# Altium PCB 24V-12V__4x5.PcbDoc (part 2 of 3)
Units mm, origin at the board's own origin, x right, y up, seen from the top; angles counter-clockwise.
Board outline 50.6 x 38 mm, 2 copper layers (Top Layer, Bottom Layer); 540 components, 0 nets, 1936 pads, 840 vias.
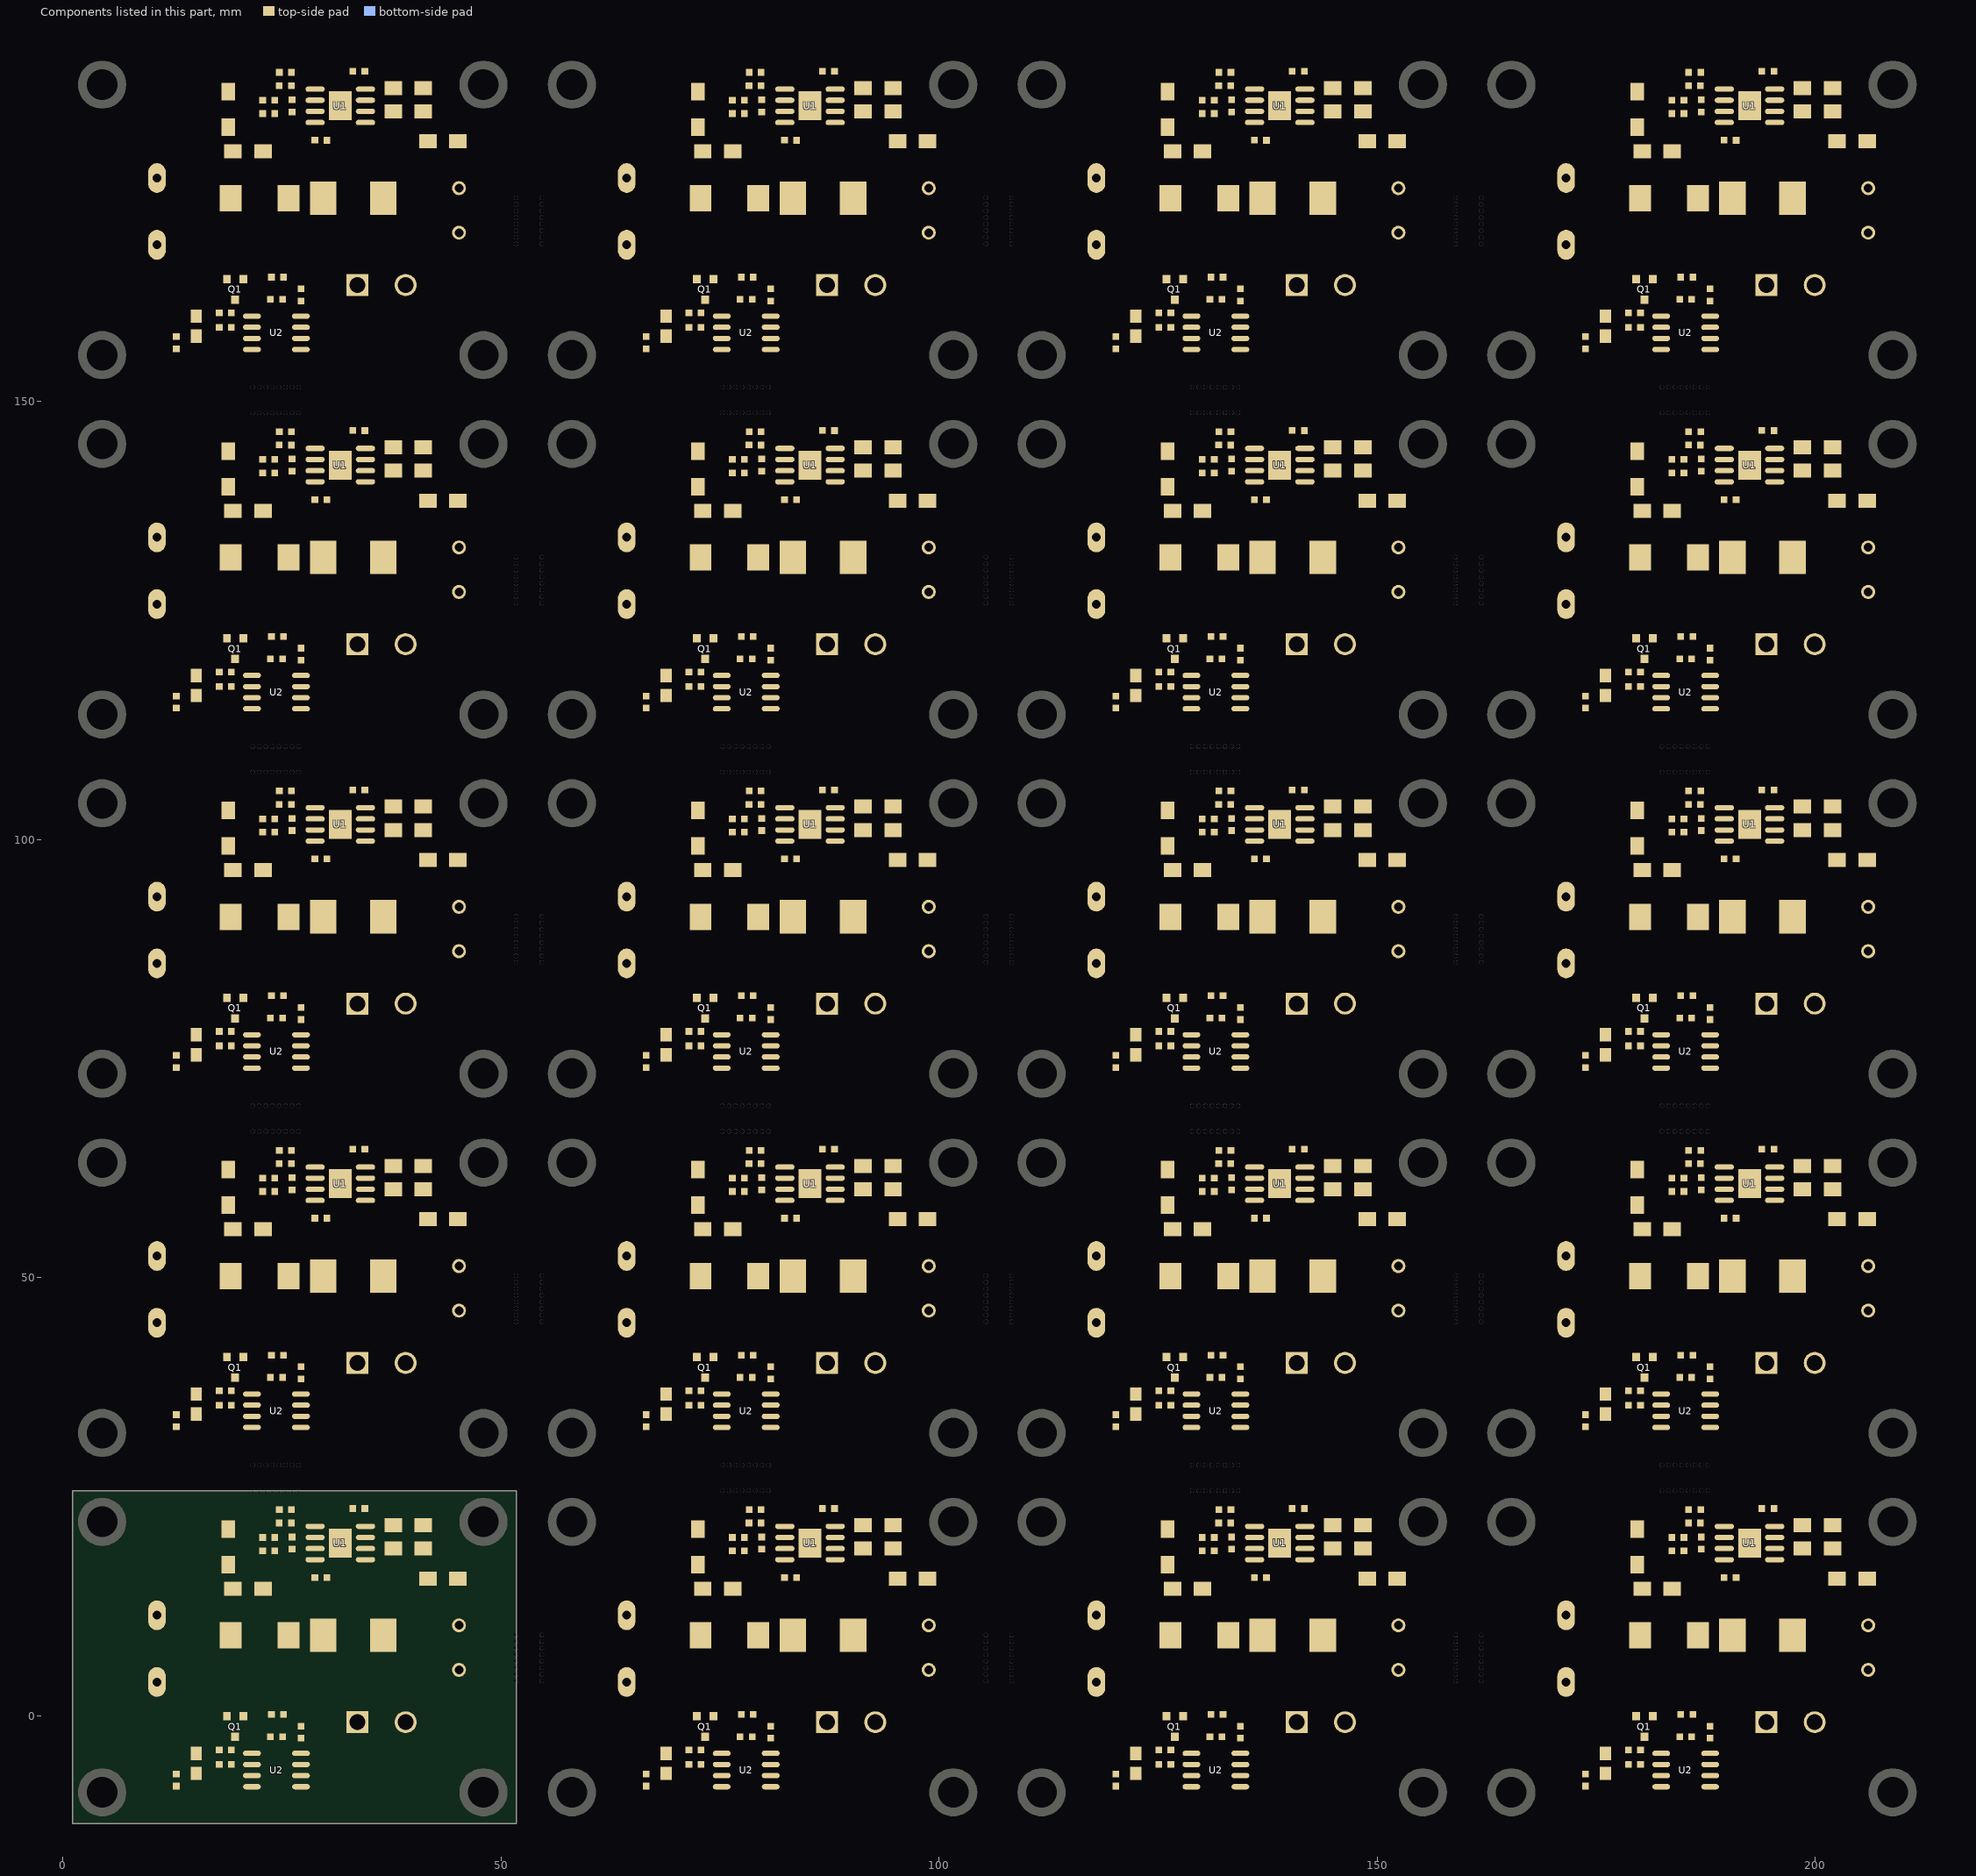
[diagram p2: the components of this part, seen from the top]

## Via types
v1: diameter 0.5, hole 0.3, Top Layer to Bottom Layer, tented both sides, 840 vias

## Nets (pads, with @x,y where several pads share a name; then routed paths per layer and width w, separated by ;. In a path a pad name is that pad's centre, name@x,y a point inside that pad or via, vN(x,y) a via of type N, cw(c..) or ccw(c..) an arc to the next point about the centre after c; other vN are vias at no path point) (continued)
copper on no net: | length 3487.4
  Top Layer w0.6: 30.15,15.775 33.782,15.775 34.541,16.534 34.541,17.806 ; 30.15,56.775 33.782,56.775 34.541,57.534 34.541,58.806 ; 30.15,97.775 33.782,97.775 34.541,98.534 34.541,99.806 ; 30.15,138.775 33.782,138.775 34.541,139.534 34.541,140.806 ; 30.15,179.775 33.782,179.775 34.541,180.534 34.541,181.806 ; 83.75,15.775 87.382,15.775 88.141,16.534 88.141,17.806 ; 83.75,56.775 87.382,56.775 88.141,57.534 88.141,58.806 ; 83.75,97.775 87.382,97.775 88.141,98.534 88.141,99.806 ; 83.75,138.775 87.382,138.775 88.141,139.534 88.141,140.806 ; 83.75,179.775 87.382,179.775 88.141,180.534 88.141,181.806 ; 137.35,15.775 140.982,15.775 141.741,16.534 141.741,17.806 ; 137.35,56.775 140.982,56.775 141.741,57.534 141.741,58.806 ; 137.35,97.775 140.982,97.775 141.741,98.534 141.741,99.806 ; 137.35,138.775 140.982,138.775 141.741,139.534 141.741,140.806 ; 137.35,179.775 140.982,179.775 141.741,180.534 141.741,181.806 ; 190.95,15.775 194.582,15.775 195.341,16.534 195.341,17.806 ; 190.95,56.775 194.582,56.775 195.341,57.534 195.341,58.806 ; 190.95,97.775 194.582,97.775 195.341,98.534 195.341,99.806 ; 190.95,138.775 194.582,138.775 195.341,139.534 195.341,140.806 ; 190.95,179.775 194.582,179.775 195.341,180.534 195.341,181.806
  Top Layer w0.7: 15.241,-4.294 15.625,-3.91 17.856,-3.91 ; 15.241,36.706 15.625,37.09 17.856,37.09 ; 15.241,77.706 15.625,78.09 17.856,78.09 ; 15.241,118.706 15.625,119.09 17.856,119.09 ; 15.241,159.706 15.625,160.09 17.856,160.09 ; 19.177,9.171 16.07,9.171 10.748,3.849 10.748,-4.371 12.957,-6.58 15.241,-6.58 15.491,-6.83 21.593,-6.83 ; 19.177,50.171 16.07,50.171 10.748,44.849 10.748,36.629 12.957,34.42 15.241,34.42 15.491,34.17 21.593,34.17 ; 19.177,91.171 16.07,91.171 10.748,85.849 10.748,77.629 12.957,75.42 15.241,75.42 15.491,75.17 21.593,75.17 ; 19.177,132.171 16.07,132.171 10.748,126.849 10.748,118.629 12.957,116.42 15.241,116.42 15.491,116.17 21.593,116.17 ; 19.177,173.171 16.07,173.171 10.748,167.849 10.748,159.629 12.957,157.42 15.241,157.42 15.491,157.17 21.593,157.17 ; 19.241,-5.563 19.244,-5.56 21.593,-5.56 22.861,-5.56 23.698,-4.723 23.698,-2.386 ; 19.241,-3.912 19.685,-3.467 19.685,-2.418 ; 19.241,35.437 19.244,35.44 21.593,35.44 22.861,35.44 23.698,36.277 23.698,38.614 ; 19.241,37.088 19.685,37.533 19.685,38.582 ; 19.241,76.437 19.244,76.44 21.593,76.44 22.861,76.44 23.698,77.277 23.698,79.614 ; 19.241,78.088 19.685,78.533 19.685,79.582 ; 19.241,117.437 19.244,117.44 21.593,117.44 22.861,117.44 23.698,118.277 23.698,120.614 ; 19.241,119.088 19.685,119.533 19.685,120.582 ; 19.241,158.437 19.244,158.44 21.593,158.44 22.861,158.44 23.698,159.277 23.698,161.614 ; 19.241,160.088 19.685,160.533 19.685,161.582 ; 20.635,-0.068 20.859,0.156 23.812,0.156 ; 20.635,40.932 20.859,41.156 23.812,41.156 ; 20.635,81.932 20.859,82.156 23.812,82.156 ; 20.635,122.932 20.859,123.156 23.812,123.156 ; 20.635,163.932 20.859,164.156 23.812,164.156 ; 21.593,-4.29 21.593,-1.748 22.225,-1.116 27.18,-1.116 ; 21.593,36.71 21.593,39.252 22.225,39.884 27.18,39.884 ; 21.593,77.71 21.593,80.252 22.225,80.884 27.18,80.884 ; 21.593,118.71 21.593,121.252 22.225,121.884 27.18,121.884 ; 21.593,159.71 21.593,162.252 22.225,162.884 27.18,162.884 ; 22.809,18.823 22.809,20.35 ; 22.809,59.823 22.809,61.35 ; 22.809,100.823 22.809,102.35 ; 22.809,141.823 22.809,143.35 ; 22.809,182.823 22.809,184.35 ; 24.194,20.349 24.197,20.346 28.794,20.346 ; 24.194,61.349 24.197,61.346 28.794,61.346 ; 24.194,102.349 24.197,102.346 28.794,102.346 ; 24.194,143.349 24.197,143.346 28.794,143.346 ; 24.194,184.349 24.197,184.346 28.794,184.346 ; 25.082,-2.388 25.082,-3.719 25.653,-4.29 27.181,-4.29 ; 25.082,38.612 25.082,37.28 25.653,36.71 27.181,36.71 ; 25.082,79.612 25.082,78.28 25.653,77.71 27.181,77.71 ; 25.082,120.612 25.082,119.28 25.653,118.71 27.181,118.71 ; 25.082,161.612 25.082,160.28 25.653,159.71 27.181,159.71 ; 25.197,-1.04 25.197,0.154 ; 25.197,39.96 25.197,41.154 ; 25.197,80.96 25.197,82.154 ; 25.197,121.96 25.197,123.154 ; 25.197,162.96 25.197,164.154 ; 26.086,21.998 26.086,23.508 26.098,23.52 ; 26.086,62.998 26.086,64.508 26.098,64.52 ; 26.086,103.998 26.086,105.508 26.098,105.52 ; 26.086,144.998 26.086,146.508 26.098,146.52 ; 26.086,185.998 26.086,187.508 26.098,187.52 ; 27.181,-2.567 27.181,-4.29 ; 27.181,38.433 27.181,36.71 ; 27.181,79.433 27.181,77.71 ; 27.181,120.433 27.181,118.71 ; 27.181,161.433 27.181,159.71 ; 33.616,-0.735 33.616,-3.314 32.64,-4.29 27.181,-4.29 ; 33.616,40.265 33.616,37.686 32.64,36.71 27.181,36.71 ; 33.616,81.265 33.616,78.686 32.64,77.71 27.181,77.71 ; 33.616,122.265 33.616,119.686 32.64,118.71 27.181,118.71 ; 33.616,163.265 33.616,160.686 32.64,159.71 27.181,159.71 ; 34.468,23.649 34.541,23.576 34.541,21.616 ; 34.468,64.649 34.541,64.576 34.541,62.616 ; 34.468,105.649 34.541,105.576 34.541,103.616 ; 34.468,146.649 34.541,146.576 34.541,144.616 ; 34.468,187.649 34.541,187.576 34.541,185.616 ; 68.841,-4.294 69.225,-3.91 71.456,-3.91 ; 68.841,36.706 69.225,37.09 71.456,37.09 ; 68.841,77.706 69.225,78.09 71.456,78.09 ; 68.841,118.706 69.225,119.09 71.456,119.09 ; 68.841,159.706 69.225,160.09 71.456,160.09 ; 72.777,9.171 69.67,9.171 64.348,3.849 64.348,-4.371 66.557,-6.58 68.841,-6.58 69.091,-6.83 75.193,-6.83 ; 72.777,50.171 69.67,50.171 64.348,44.849 64.348,36.629 66.557,34.42 68.841,34.42 69.091,34.17 75.193,34.17 ; 72.777,91.171 69.67,91.171 64.348,85.849 64.348,77.629 66.557,75.42 68.841,75.42 69.091,75.17 75.193,75.17 ; 72.777,132.171 69.67,132.171 64.348,126.849 64.348,118.629 66.557,116.42 68.841,116.42 69.091,116.17 75.193,116.17 ; 72.777,173.171 69.67,173.171 64.348,167.849 64.348,159.629 66.557,157.42 68.841,157.42 69.091,157.17 75.193,157.17 ; 72.84,-5.563 72.844,-5.56 75.193,-5.56 76.461,-5.56 77.298,-4.723 77.298,-2.386 ; 72.84,-3.912 73.285,-3.467 73.285,-2.418 ; 72.84,35.437 72.844,35.44 75.193,35.44 76.461,35.44 77.298,36.277 77.298,38.614 ; 72.84,37.088 73.285,37.533 73.285,38.582 ; 72.84,76.437 72.844,76.44 75.193,76.44 76.461,76.44 77.298,77.277 77.298,79.614 ; 72.84,78.088 73.285,78.533 73.285,79.582 ; 72.84,117.437 72.844,117.44 75.193,117.44 76.461,117.44 77.298,118.277 77.298,120.614 ; 72.84,119.088 73.285,119.533 73.285,120.582 ; 72.84,158.437 72.844,158.44 75.193,158.44 76.461,158.44 77.298,159.277 77.298,161.614 ; 72.84,160.088 73.285,160.533 73.285,161.582 ; 74.235,-0.068 74.459,0.156 77.412,0.156 ; 74.235,40.932 74.459,41.156 77.412,41.156 ; 74.235,81.932 74.459,82.156 77.412,82.156 ; 74.235,122.932 74.459,123.156 77.412,123.156 ; 74.235,163.932 74.459,164.156 77.412,164.156 ; 75.193,-4.29 75.193,-1.748 75.825,-1.116 80.78,-1.116 ; 75.193,36.71 75.193,39.252 75.825,39.884 80.78,39.884 ; 75.193,77.71 75.193,80.252 75.825,80.884 80.78,80.884 ; 75.193,118.71 75.193,121.252 75.825,121.884 80.78,121.884 ; 75.193,159.71 75.193,162.252 75.825,162.884 80.78,162.884 ; 76.409,18.823 76.409,20.35 ; 76.409,59.823 76.409,61.35 ; 76.409,100.823 76.409,102.35 ; 76.409,141.823 76.409,143.35 ; 76.409,182.823 76.409,184.35 ; 77.793,20.349 77.797,20.346 82.394,20.346 ; 77.793,61.349 77.797,61.346 82.394,61.346 ; 77.793,102.349 77.797,102.346 82.394,102.346 ; 77.793,143.349 77.797,143.346 82.394,143.346 ; 77.793,184.349 77.797,184.346 82.394,184.346 ; 78.682,-2.388 78.682,-3.719 79.253,-4.29 80.781,-4.29 ; 78.682,38.612 78.682,37.28 79.253,36.71 80.781,36.71 ; 78.682,79.612 78.682,78.28 79.253,77.71 80.781,77.71 ; 78.682,120.612 78.682,119.28 79.253,118.71 80.781,118.71 ; 78.682,161.612 78.682,160.28 79.253,159.71 80.781,159.71 ; 78.797,-1.04 78.797,0.154 ; 78.797,39.96 78.797,41.154 ; 78.797,80.96 78.797,82.154 ; 78.797,121.96 78.797,123.154 ; 78.797,162.96 78.797,164.154 ; 79.686,21.998 79.686,23.508 79.698,23.52 ; 79.686,62.998 79.686,64.508 79.698,64.52 ; 79.686,103.998 79.686,105.508 79.698,105.52 ; 79.686,144.998 79.686,146.508 79.698,146.52 ; 79.686,185.998 79.686,187.508 79.698,187.52 ; 80.781,-2.567 80.781,-4.29 ; 80.781,38.433 80.781,36.71 ; 80.781,79.433 80.781,77.71 ; 80.781,120.433 80.781,118.71 ; 80.781,161.433 80.781,159.71 ; 87.216,-0.735 87.216,-3.314 86.24,-4.29 80.781,-4.29 ; 87.216,40.265 87.216,37.686 86.24,36.71 80.781,36.71 ; 87.216,81.265 87.216,78.686 86.24,77.71 80.781,77.71 ; 87.216,122.265 87.216,119.686 86.24,118.71 80.781,118.71 ; 87.216,163.265 87.216,160.686 86.24,159.71 80.781,159.71 ; 88.068,23.649 88.141,23.576 88.141,21.616 ; 88.068,64.649 88.141,64.576 88.141,62.616 ; 88.068,105.649 88.141,105.576 88.141,103.616 ; 88.068,146.649 88.141,146.576 88.141,144.616 ; 88.068,187.649 88.141,187.576 88.141,185.616 ; 122.441,-4.294 122.825,-3.91 125.056,-3.91 ; 122.441,36.706 122.825,37.09 125.056,37.09 ; 122.441,77.706 122.825,78.09 125.056,78.09 ; 122.441,118.706 122.825,119.09 125.056,119.09 ; 122.441,159.706 122.825,160.09 125.056,160.09 ; 126.377,9.171 123.27,9.171 117.948,3.849 117.948,-4.371 120.157,-6.58 122.441,-6.58 122.691,-6.83 128.793,-6.83 ; 126.377,50.171 123.27,50.171 117.948,44.849 117.948,36.629 120.157,34.42 122.441,34.42 122.691,34.17 128.793,34.17 ; 126.377,91.171 123.27,91.171 117.948,85.849 117.948,77.629 120.157,75.42 122.441,75.42 122.691,75.17 128.793,75.17 ; 126.377,132.171 123.27,132.171 117.948,126.849 117.948,118.629 120.157,116.42 122.441,116.42 122.691,116.17 128.793,116.17 ; 126.377,173.171 123.27,173.171 117.948,167.849 117.948,159.629 120.157,157.42 122.441,157.42 122.691,157.17 128.793,157.17 ; 126.44,-5.563 126.444,-5.56 128.793,-5.56 130.061,-5.56 130.898,-4.723 130.898,-2.386 ; 126.44,-3.912 126.885,-3.467 126.885,-2.418 ; 126.44,35.437 126.444,35.44 128.793,35.44 130.061,35.44 130.898,36.277 130.898,38.614 ; 126.44,37.088 126.885,37.533 126.885,38.582 ; 126.44,76.437 126.444,76.44 128.793,76.44 130.061,76.44 130.898,77.277 130.898,79.614 ; 126.44,78.088 126.885,78.533 126.885,79.582 ; 126.44,117.437 126.444,117.44 128.793,117.44 130.061,117.44 130.898,118.277 130.898,120.614 ; 126.44,119.088 126.885,119.533 126.885,120.582 ; 126.44,158.437 126.444,158.44 128.793,158.44 130.061,158.44 130.898,159.277 130.898,161.614 ; 126.44,160.088 126.885,160.533 126.885,161.582 ; 127.835,-0.068 128.059,0.156 131.012,0.156 ; 127.835,40.932 128.059,41.156 131.012,41.156 ; 127.835,81.932 128.059,82.156 131.012,82.156 ; 127.835,122.932 128.059,123.156 131.012,123.156 ; 127.835,163.932 128.059,164.156 131.012,164.156 ; 128.793,-4.29 128.793,-1.748 129.425,-1.116 134.38,-1.116 ; 128.793,36.71 128.793,39.252 129.425,39.884 134.38,39.884 ; 128.793,77.71 128.793,80.252 129.425,80.884 134.38,80.884 ; 128.793,118.71 128.793,121.252 129.425,121.884 134.38,121.884 ; 128.793,159.71 128.793,162.252 129.425,162.884 134.38,162.884 ; 130.009,18.823 130.009,20.35 ; 130.009,59.823 130.009,61.35 ; 130.009,100.823 130.009,102.35 ; 130.009,141.823 130.009,143.35 ; 130.009,182.823 130.009,184.35 ; 131.393,20.349 131.397,20.346 135.994,20.346 ; 131.393,61.349 131.397,61.346 135.994,61.346 ; 131.393,102.349 131.397,102.346 135.994,102.346 ; 131.393,143.349 131.397,143.346 135.994,143.346 ; 131.393,184.349 131.397,184.346 135.994,184.346 ; 132.282,-2.388 132.282,-3.719 132.853,-4.29 134.381,-4.29 ; 132.282,38.612 132.282,37.28 132.853,36.71 134.381,36.71 ; 132.282,79.612 132.282,78.28 132.853,77.71 134.381,77.71 ; 132.282,120.612 132.282,119.28 132.853,118.71 134.381,118.71 ; 132.282,161.612 132.282,160.28 132.853,159.71 134.381,159.71 ; 132.397,-1.04 132.397,0.154 ; 132.397,39.96 132.397,41.154 ; 132.397,80.96 132.397,82.154 ; 132.397,121.96 132.397,123.154 ; 132.397,162.96 132.397,164.154 ; 133.286,21.998 133.286,23.508 133.298,23.52 ; 133.286,62.998 133.286,64.508 133.298,64.52 ; 133.286,103.998 133.286,105.508 133.298,105.52 ; 133.286,144.998 133.286,146.508 133.298,146.52 ; 133.286,185.998 133.286,187.508 133.298,187.52 ; 134.381,-2.567 134.381,-4.29 ; 134.381,38.433 134.381,36.71 ; 134.381,79.433 134.381,77.71 ; 134.381,120.433 134.381,118.71 ; 134.381,161.433 134.381,159.71 ; 140.816,-0.735 140.816,-3.314 139.84,-4.29 134.381,-4.29 ; 140.816,40.265 140.816,37.686 139.84,36.71 134.381,36.71 ; 140.816,81.265 140.816,78.686 139.84,77.71 134.381,77.71 ; 140.816,122.265 140.816,119.686 139.84,118.71 134.381,118.71 ; 140.816,163.265 140.816,160.686 139.84,159.71 134.381,159.71 ; 141.668,23.649 141.741,23.576 141.741,21.616 ; 141.668,64.649 141.741,64.576 141.741,62.616 ; 141.668,105.649 141.741,105.576 141.741,103.616 ; 141.668,146.649 141.741,146.576 141.741,144.616 ; 141.668,187.649 141.741,187.576 141.741,185.616 ; 176.041,-4.294 176.425,-3.91 178.656,-3.91 ; 176.041,36.706 176.425,37.09 178.656,37.09 ; 176.041,77.706 176.425,78.09 178.656,78.09 ; 176.041,118.706 176.425,119.09 178.656,119.09 ; 176.041,159.706 176.425,160.09 178.656,160.09 ; 179.977,9.171 176.87,9.171 171.548,3.849 171.548,-4.371 173.757,-6.58 176.041,-6.58 176.291,-6.83 182.393,-6.83 ; 179.977,50.171 176.87,50.171 171.548,44.849 171.548,36.629 173.757,34.42 176.041,34.42 176.291,34.17 182.393,34.17 ; 179.977,91.171 176.87,91.171 171.548,85.849 171.548,77.629 173.757,75.42 176.041,75.42 176.291,75.17 182.393,75.17 ; 179.977,132.171 176.87,132.171 171.548,126.849 171.548,118.629 173.757,116.42 176.041,116.42 176.291,116.17 182.393,116.17 ; 179.977,173.171 176.87,173.171 171.548,167.849 171.548,159.629 173.757,157.42 176.041,157.42 176.291,157.17 182.393,157.17 ; 180.041,-5.563 180.044,-5.56 182.393,-5.56 183.661,-5.56 184.498,-4.723 184.498,-2.386 ; 180.041,-3.912 180.485,-3.467 180.485,-2.418 ; 180.041,35.437 180.044,35.44 182.393,35.44 183.661,35.44 184.498,36.277 184.498,38.614 ; 180.041,37.088 180.485,37.533 180.485,38.582 ; 180.041,76.437 180.044,76.44 182.393,76.44 183.661,76.44 184.498,77.277 184.498,79.614 ; 180.041,78.088 180.485,78.533 180.485,79.582 ; 180.041,117.437 180.044,117.44 182.393,117.44 183.661,117.44 184.498,118.277 184.498,120.614 ; 180.041,119.088 180.485,119.533 180.485,120.582 ; 180.041,158.437 180.044,158.44 182.393,158.44 183.661,158.44 184.498,159.277 184.498,161.614 ; 180.041,160.088 180.485,160.533 180.485,161.582 ; 181.435,-0.068 181.659,0.156 184.613,0.156 ; 181.435,40.932 181.659,41.156 184.613,41.156 ; 181.435,81.932 181.659,82.156 184.613,82.156 ; 181.435,122.932 181.659,123.156 184.613,123.156 ; 181.435,163.932 181.659,164.156 184.613,164.156 ; 182.393,-4.29 182.393,-1.748 183.025,-1.116 187.98,-1.116 ; 182.393,36.71 182.393,39.252 183.025,39.884 187.98,39.884 ; 182.393,77.71 182.393,80.252 183.025,80.884 187.98,80.884 ; 182.393,118.71 182.393,121.252 183.025,121.884 187.98,121.884 ; 182.393,159.71 182.393,162.252 183.025,162.884 187.98,162.884 ; 183.609,18.823 183.609,20.35 ; 183.609,59.823 183.609,61.35 ; 183.609,100.823 183.609,102.35 ; 183.609,141.823 183.609,143.35 ; 183.609,182.823 183.609,184.35 ; 184.994,20.349 184.997,20.346 189.594,20.346 ; 184.994,61.349 184.997,61.346 189.594,61.346 ; 184.994,102.349 184.997,102.346 189.594,102.346 ; 184.994,143.349 184.997,143.346 189.594,143.346 ; 184.994,184.349 184.997,184.346 189.594,184.346 ; 185.883,-2.388 185.883,-3.719 186.453,-4.29 187.981,-4.29 ; 185.883,38.612 185.883,37.28 186.453,36.71 187.981,36.71 ; 185.883,79.612 185.883,78.28 186.453,77.71 187.981,77.71 ; 185.883,120.612 185.883,119.28 186.453,118.71 187.981,118.71 ; 185.883,161.612 185.883,160.28 186.453,159.71 187.981,159.71 ; 185.997,-1.04 185.997,0.154 ; 185.997,39.96 185.997,41.154 ; 185.997,80.96 185.997,82.154 ; 185.997,121.96 185.997,123.154 ; 185.997,162.96 185.997,164.154 ; 186.886,21.998 186.886,23.508 186.899,23.52 ; 186.886,62.998 186.886,64.508 186.899,64.52 ; 186.886,103.998 186.886,105.508 186.899,105.52 ; 186.886,144.998 186.886,146.508 186.899,146.52 ; 186.886,185.998 186.886,187.508 186.899,187.52 ; 187.981,-2.567 187.981,-4.29 ; 187.981,38.433 187.981,36.71 ; 187.981,79.433 187.981,77.71 ; 187.981,120.433 187.981,118.71 ; 187.981,161.433 187.981,159.71 ; 194.416,-0.735 194.416,-3.314 193.44,-4.29 187.981,-4.29 ; 194.416,40.265 194.416,37.686 193.44,36.71 187.981,36.71 ; 194.416,81.265 194.416,78.686 193.44,77.71 187.981,77.71 ; 194.416,122.265 194.416,119.686 193.44,118.71 187.981,118.71 ; 194.416,163.265 194.416,160.686 193.44,159.71 187.981,159.71 ; 195.268,23.649 195.341,23.576 195.341,21.616 ; 195.268,64.649 195.341,64.576 195.341,62.616 ; 195.268,105.649 195.341,105.576 195.341,103.616 ; 195.268,146.649 195.341,146.576 195.341,144.616 ; 195.268,187.649 195.341,187.576 195.341,185.616
  Top Layer w0.8: 25.781,9.171 29.712,9.171 28.794,10.089 28.794,17.806 ; 25.781,50.171 29.712,50.171 28.794,51.089 28.794,58.806 ; 25.781,91.171 29.712,91.171 28.794,92.089 28.794,99.806 ; 25.781,132.171 29.712,132.171 28.794,133.089 28.794,140.806 ; 25.781,173.171 29.712,173.171 28.794,174.089 28.794,181.806 ; 79.381,9.171 83.312,9.171 82.394,10.089 82.394,17.806 ; 79.381,50.171 83.312,50.171 82.394,51.089 82.394,58.806 ; 79.381,91.171 83.312,91.171 82.394,92.089 82.394,99.806 ; 79.381,132.171 83.312,132.171 82.394,133.089 82.394,140.806 ; 79.381,173.171 83.312,173.171 82.394,174.089 82.394,181.806 ; 132.981,9.171 136.912,9.171 135.994,10.089 135.994,17.806 ; 132.981,50.171 136.912,50.171 135.994,51.089 135.994,58.806 ; 132.981,91.171 136.912,91.171 135.994,92.089 135.994,99.806 ; 132.981,132.171 136.912,132.171 135.994,133.089 135.994,140.806 ; 132.981,173.171 136.912,173.171 135.994,174.089 135.994,181.806 ; 186.581,9.171 190.512,9.171 189.594,10.089 189.594,17.806 ; 186.581,50.171 190.512,50.171 189.594,51.089 189.594,58.806 ; 186.581,91.171 190.512,91.171 189.594,92.089 189.594,99.806 ; 186.581,132.171 190.512,132.171 189.594,133.089 189.594,140.806 ; 186.581,173.171 190.512,173.171 189.594,174.089 189.594,181.806
  Top Layer w1: 19.177,9.171 19.428,9.422 19.428,14.504 18.88,15.052 18.88,17.26 21.336,19.716 21.336,21.49 21.846,22 24.701,22 ; 19.177,50.171 19.428,50.422 19.428,55.504 18.88,56.052 18.88,58.26 21.336,60.716 21.336,62.49 21.846,63 24.701,63 ; 19.177,91.171 19.428,91.422 19.428,96.504 18.88,97.052 18.88,99.26 21.336,101.716 21.336,103.49 21.846,104 24.701,104 ; 19.177,132.171 19.428,132.422 19.428,137.504 18.88,138.052 18.88,140.26 21.336,142.716 21.336,144.49 21.846,145 24.701,145 ; 19.177,173.171 19.428,173.422 19.428,178.504 18.88,179.052 18.88,181.26 21.336,183.716 21.336,185.49 21.846,186 24.701,186 ; 26.086,21.998 28.412,21.998 28.794,21.616 ; 26.086,62.998 28.412,62.998 28.794,62.616 ; 26.086,103.998 28.412,103.998 28.794,103.616 ; 26.086,144.998 28.412,144.998 28.794,144.616 ; 26.086,185.998 28.412,185.998 28.794,185.616 ; 33.616,-0.735 37.045,2.694 42.672,2.694 45.212,5.234 45.212,6.504 37.716,14 37.716,19.076 ; 33.616,40.265 37.045,43.694 42.672,43.694 45.212,46.234 45.212,47.504 37.716,55 37.716,60.076 ; 33.616,81.265 37.045,84.694 42.672,84.694 45.212,87.234 45.212,88.504 37.716,96 37.716,101.076 ; 33.616,122.265 37.045,125.694 42.672,125.694 45.212,128.234 45.212,129.504 37.716,137 37.716,142.076 ; 33.616,163.265 37.045,166.694 42.672,166.694 45.212,169.234 45.212,170.504 37.716,178 37.716,183.076 ; 34.541,19.076 37.716,19.076 ; 34.541,60.076 37.716,60.076 ; 34.541,101.076 37.716,101.076 ; 34.541,142.076 37.716,142.076 ; 34.541,183.076 37.716,183.076 ; 37.716,21.743 37.716,19.076 ; 37.716,62.743 37.716,60.076 ; 37.716,103.743 37.716,101.076 ; 37.716,144.743 37.716,142.076 ; 37.716,185.743 37.716,183.076 ; 72.777,9.171 73.028,9.422 73.028,14.504 72.48,15.052 72.48,17.26 74.936,19.716 74.936,21.49 75.446,22 78.301,22 ; 72.777,50.171 73.028,50.422 73.028,55.504 72.48,56.052 72.48,58.26 74.936,60.716 74.936,62.49 75.446,63 78.301,63 ; 72.777,91.171 73.028,91.422 73.028,96.504 72.48,97.052 72.48,99.26 74.936,101.716 74.936,103.49 75.446,104 78.301,104 ; 72.777,132.171 73.028,132.422 73.028,137.504 72.48,138.052 72.48,140.26 74.936,142.716 74.936,144.49 75.446,145 78.301,145 ; 72.777,173.171 73.028,173.422 73.028,178.504 72.48,179.052 72.48,181.26 74.936,183.716 74.936,185.49 75.446,186 78.301,186 ; 79.686,21.998 82.012,21.998 82.394,21.616 ; 79.686,62.998 82.012,62.998 82.394,62.616 ; 79.686,103.998 82.012,103.998 82.394,103.616 ; 79.686,144.998 82.012,144.998 82.394,144.616 ; 79.686,185.998 82.012,185.998 82.394,185.616 ; 87.216,-0.735 90.645,2.694 96.272,2.694 98.812,5.234 98.812,6.504 91.316,14 91.316,19.076 ; 87.216,40.265 90.645,43.694 96.272,43.694 98.812,46.234 98.812,47.504 91.316,55 91.316,60.076 ; 87.216,81.265 90.645,84.694 96.272,84.694 98.812,87.234 98.812,88.504 91.316,96 91.316,101.076 ; 87.216,122.265 90.645,125.694 96.272,125.694 98.812,128.234 98.812,129.504 91.316,137 91.316,142.076 ; 87.216,163.265 90.645,166.694 96.272,166.694 98.812,169.234 98.812,170.504 91.316,178 91.316,183.076 ; 88.141,19.076 91.316,19.076 ; 88.141,60.076 91.316,60.076 ; 88.141,101.076 91.316,101.076 ; 88.141,142.076 91.316,142.076 ; 88.141,183.076 91.316,183.076 ; 91.316,21.743 91.316,19.076 ; 91.316,62.743 91.316,60.076 ; 91.316,103.743 91.316,101.076 ; 91.316,144.743 91.316,142.076 ; 91.316,185.743 91.316,183.076 ; 126.377,9.171 126.628,9.422 126.628,14.504 126.08,15.052 126.08,17.26 128.536,19.716 128.536,21.49 129.046,22 131.901,22 ; 126.377,50.171 126.628,50.422 126.628,55.504 126.08,56.052 126.08,58.26 128.536,60.716 128.536,62.49 129.046,63 131.901,63 ; 126.377,91.171 126.628,91.422 126.628,96.504 126.08,97.052 126.08,99.26 128.536,101.716 128.536,103.49 129.046,104 131.901,104 ; 126.377,132.171 126.628,132.422 126.628,137.504 126.08,138.052 126.08,140.26 128.536,142.716 128.536,144.49 129.046,145 131.901,145 ; 126.377,173.171 126.628,173.422 126.628,178.504 126.08,179.052 126.08,181.26 128.536,183.716 128.536,185.49 129.046,186 131.901,186 ; 133.286,21.998 135.612,21.998 135.994,21.616 ; 133.286,62.998 135.612,62.998 135.994,62.616 ; 133.286,103.998 135.612,103.998 135.994,103.616 ; 133.286,144.998 135.612,144.998 135.994,144.616 ; 133.286,185.998 135.612,185.998 135.994,185.616 ; 140.816,-0.735 144.245,2.694 149.872,2.694 152.412,5.234 152.412,6.504 144.916,14 144.916,19.076 ; 140.816,40.265 144.245,43.694 149.872,43.694 152.412,46.234 152.412,47.504 144.916,55 144.916,60.076 ; 140.816,81.265 144.245,84.694 149.872,84.694 152.412,87.234 152.412,88.504 144.916,96 144.916,101.076 ; 140.816,122.265 144.245,125.694 149.872,125.694 152.412,128.234 152.412,129.504 144.916,137 144.916,142.076 ; 140.816,163.265 144.245,166.694 149.872,166.694 152.412,169.234 152.412,170.504 144.916,178 144.916,183.076 ; 141.741,19.076 144.916,19.076 ; 141.741,60.076 144.916,60.076 ; 141.741,101.076 144.916,101.076 ; 141.741,142.076 144.916,142.076 ; 141.741,183.076 144.916,183.076 ; 144.916,21.743 144.916,19.076 ; 144.916,62.743 144.916,60.076 ; 144.916,103.743 144.916,101.076 ; 144.916,144.743 144.916,142.076 ; 144.916,185.743 144.916,183.076 ; 179.977,9.171 180.228,9.422 180.228,14.504 179.68,15.052 179.68,17.26 182.136,19.716 182.136,21.49 182.646,22 185.502,22 ; 179.977,50.171 180.228,50.422 180.228,55.504 179.68,56.052 179.68,58.26 182.136,60.716 182.136,62.49 182.646,63 185.502,63 ; 179.977,91.171 180.228,91.422 180.228,96.504 179.68,97.052 179.68,99.26 182.136,101.716 182.136,103.49 182.646,104 185.502,104 ; 179.977,132.171 180.228,132.422 180.228,137.504 179.68,138.052 179.68,140.26 182.136,142.716 182.136,144.49 182.646,145 185.502,145 ; 179.977,173.171 180.228,173.422 180.228,178.504 179.68,179.052 179.68,181.26 182.136,183.716 182.136,185.49 182.646,186 185.502,186 ; 186.886,21.998 189.212,21.998 189.594,21.616 ; 186.886,62.998 189.212,62.998 189.594,62.616 ; 186.886,103.998 189.212,103.998 189.594,103.616 ; 186.886,144.998 189.212,144.998 189.594,144.616 ; 186.886,185.998 189.212,185.998 189.594,185.616 ; 194.416,-0.735 197.845,2.694 203.472,2.694 206.012,5.234 206.012,6.504 198.516,14 198.516,19.076 ; 194.416,40.265 197.845,43.694 203.472,43.694 206.012,46.234 206.012,47.504 198.516,55 198.516,60.076 ; 194.416,81.265 197.845,84.694 203.472,84.694 206.012,87.234 206.012,88.504 198.516,96 198.516,101.076 ; 194.416,122.265 197.845,125.694 203.472,125.694 206.012,128.234 206.012,129.504 198.516,137 198.516,142.076 ; 194.416,163.265 197.845,166.694 203.472,166.694 206.012,169.234 206.012,170.504 198.516,178 198.516,183.076 ; 195.341,19.076 198.516,19.076 ; 195.341,60.076 198.516,60.076 ; 195.341,101.076 198.516,101.076 ; 195.341,142.076 198.516,142.076 ; 195.341,183.076 198.516,183.076 ; 198.516,21.743 198.516,19.076 ; 198.516,62.743 198.516,60.076 ; 198.516,103.743 198.516,101.076 ; 198.516,144.743 198.516,142.076 ; 198.516,185.743 198.516,183.076